# Altium PCB 11BRANMB10H_20170919.pcbdoc (part 2 of 7)
Units mm, origin at the board's own origin, x right, y up, seen from the top; angles counter-clockwise.
Board outline 91.65 x 48.25 mm, 6 copper layers (TOP, GND1, Singal, POWER, GND2, BOTTOM), stack 0.8 mm thick; 367 components, 288 nets, 1408 pads, 965 vias.
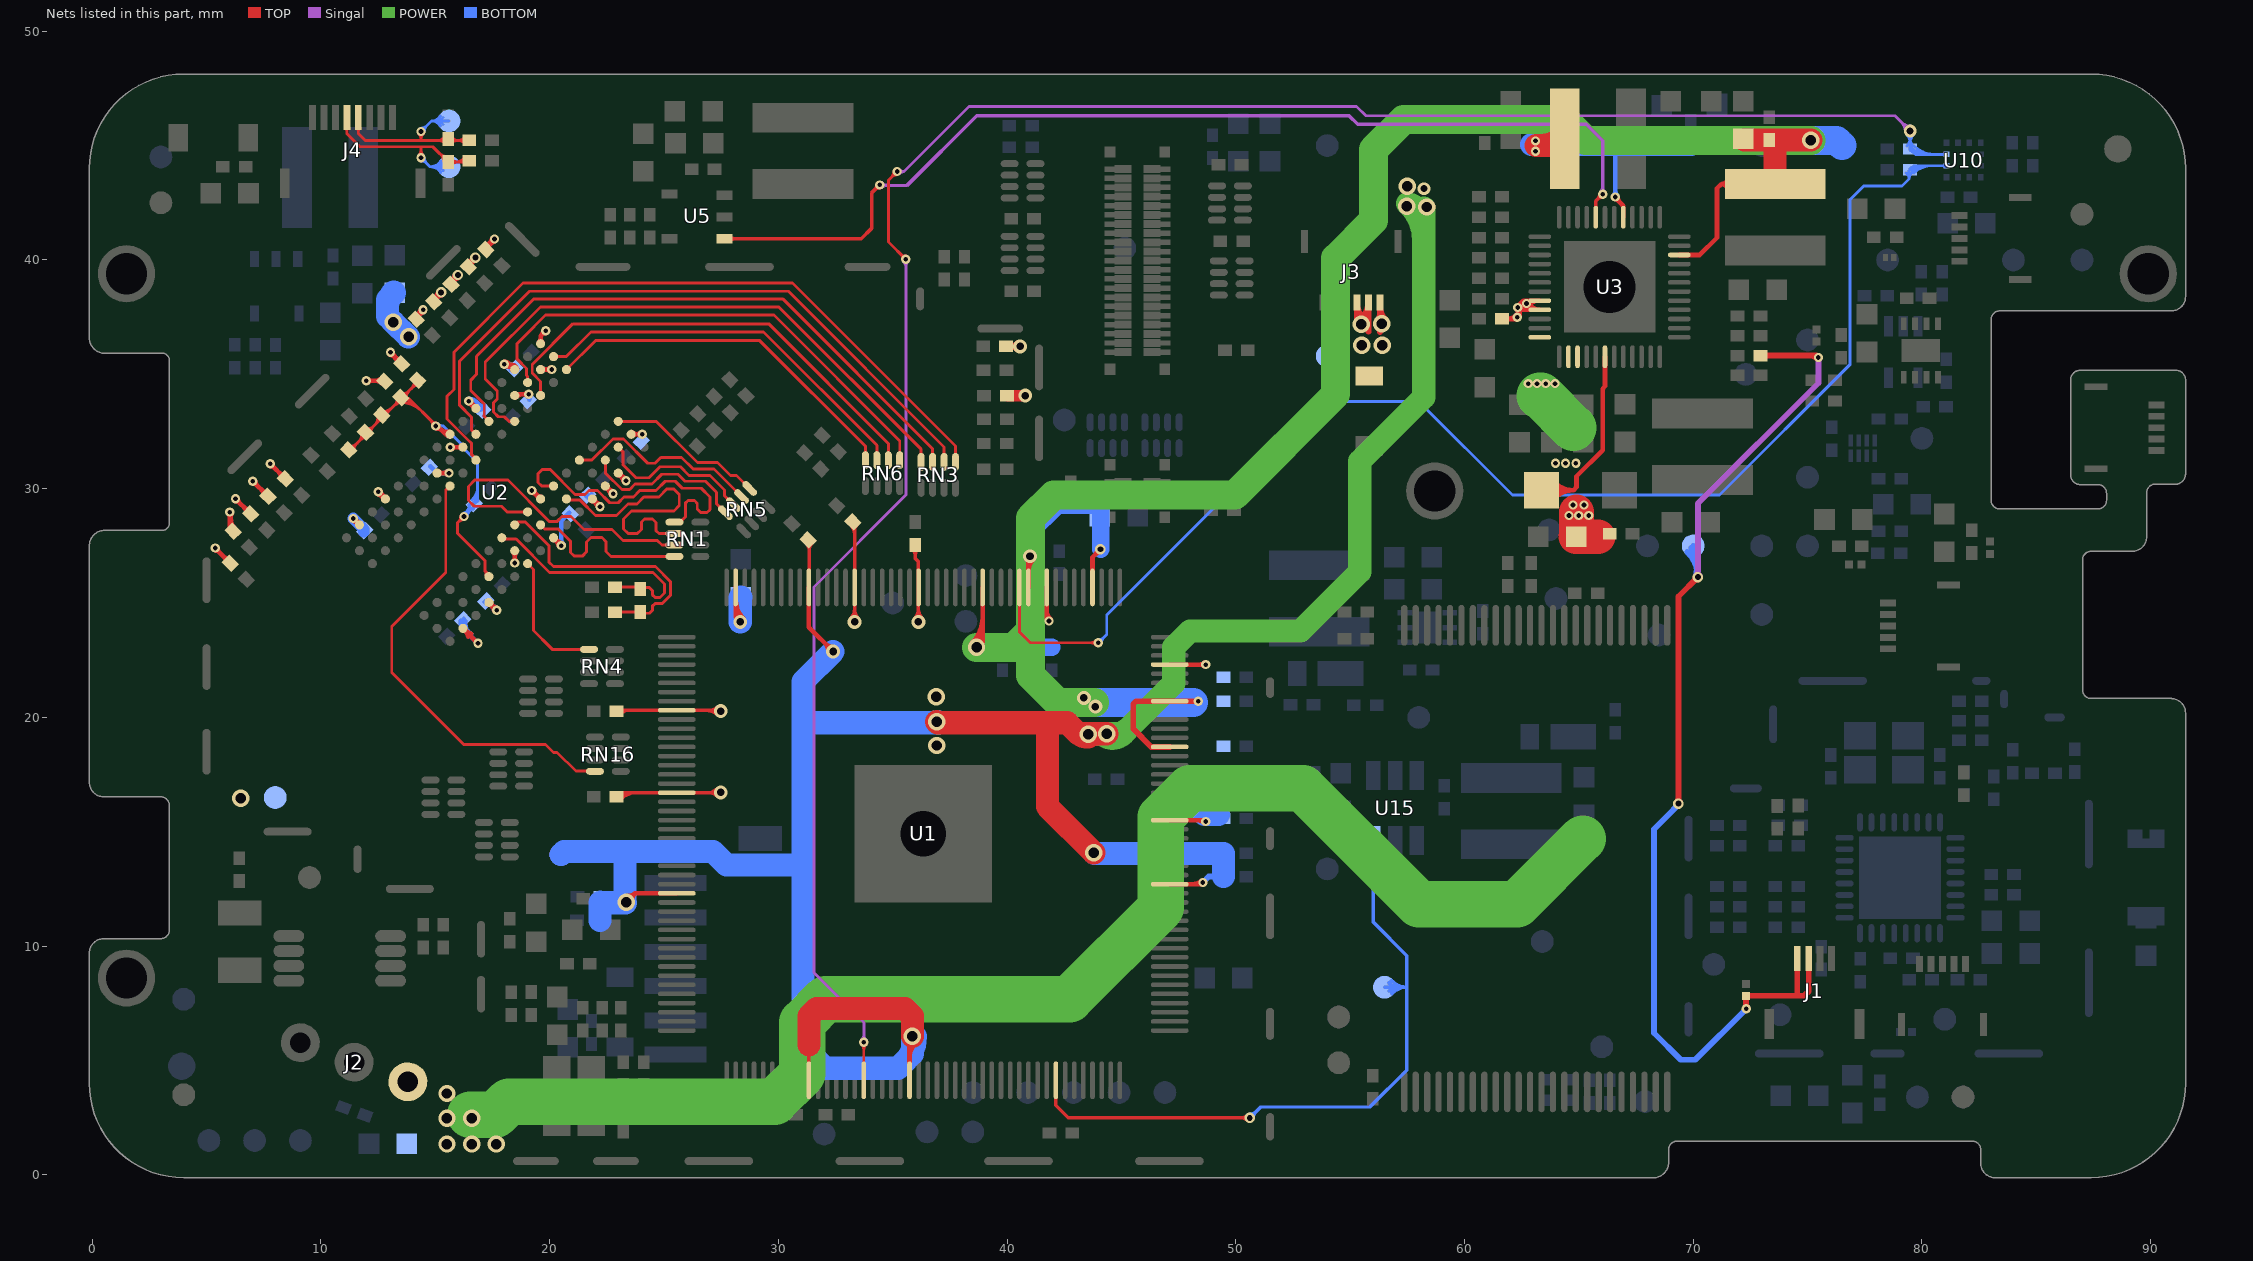
[diagram p6: the nets of this part, all layers, seen from the top]

## Via types
v1: diameter 0.406, hole 0.203, TOP to BOTTOM, tented both sides, 427 vias
v2: diameter 0.457, hole 0.254, TOP to BOTTOM, tented both sides, 256 vias
v3: diameter 0.559, hole 0.305, TOP to BOTTOM, tented both sides, 192 vias
v4: diameter 0.762, hole 0.457, TOP to BOTTOM, tented both sides, 69 vias
v5: diameter 0.61, hole 0.33, TOP to BOTTOM, tented both sides, 11 vias
v6: diameter 0.5, hole 0.2, TOP to BOTTOM, 9 vias
v7: diameter 0.508, hole 0.254, TOP to BOTTOM, tented both sides, 1 vias

## Nets (pads, with @x,y where several pads share a name; then routed paths per layer and width w, separated by ;. In a path a pad name is that pad's centre, name@x,y a point inside that pad or via, vN(x,y) a via of type N, cw(c..) or ccw(c..) an arc to the next point about the centre after c; other vN are vias at no path point) (continued)
BAT: C41.2 C42.2 C45.1 J2.1 R11.1 TP10.1 U3.38 U3.39 U3.42 | length 77.5
  TOP w0.203: R11.1@63.236,29.929 R11.1@63.363,29.929 64.768,29.929 ; R11.1@63.713,29.638 cw(c64.334,29.12) 64.334,29.929 cw(c64.334,30.738) R11.1@63.713,30.22 ; R11.1@63.869,29.508 cw(c64.768,28.759) 64.768,29.929 ; R11.1@63.869,30.35 ccw(c64.768,31.099) 64.768,29.929 ; U3.42@66.143,35.769 66.143,34.478 66.038,34.373 66.038,31.675 64.895,30.532 64.895,30.056 64.768,29.929
  TOP w0.508: R11.1@63.363,29.417 R11.1@63.363,29.929
  TOP w1.524: v1@64.898,28.977 64.898,28.829 64.898,27.913 C45.1@64.882,27.897 64.999,27.897 65.43,27.897 65.835,27.897
  POWER w2.032: v4@16.534,2.624 16.59,2.624 17.626,2.624 18.202,3.2 29.835,3.2 31.051,4.416 31.051,6.665 32.065,7.679 42.735,7.679 46.725,11.668 46.725,15.645 47.978,16.898 52.939,16.898 58.007,11.83 62.299,11.83 65.164,14.694 ; 63.295,34.069 63.346,34.069 63.389,34.026 64.752,32.663
  other v1: 64.567,28.829 64.999,28.829 65.43,28.829 64.745,29.286 65.227,29.286 63.983,31.115 64.414,31.115 64.872,31.115 62.787,34.595 63.168,34.595 63.551,34.595 63.957,34.595
  other v4: 15.51,1.346 16.59,1.346 17.669,1.346 15.51,2.464 16.59,2.464 15.51,3.556
BOOST_EN: R190.1 TP14.1 U1.125 U15.3 | length 35
  TOP w0.127: U1.125@42.135,4.013 U1.125@42.135,4.133
  TOP w0.152: U1.125@42.135,4.013 42.135,3.045 42.684,2.497 50.601,2.497 v2(50.609,2.489) ; 50.222,2.497 cw(c50.222,2.102) v2@50.501,2.381 ; 50.26,2.497 ccw(c50.26,2.838) v2@50.501,2.597
  BOTTOM w0.152: v2(50.609,2.489) 51.085,2.965 55.865,2.965 57.478,4.579 57.478,8.204 ; v2@50.609,2.642 ccw(c50.609,3.01) 50.869,2.749 ccw(c51.129,2.489) v2@50.761,2.489 ; U15.3@55.85,14.119 cw(c55.438,13.708) 56.02,13.708 cw(c56.603,13.708) U15.3@56.191,14.119 ; R190.1@55.88,13.106 cw(c55.541,12.767) 56.02,12.767 ; R190.1@55.88,13.352 ccw(c55.541,13.691) 56.02,13.691 ; 56.02,12.852 cw(c56.381,12.852) R190.1@56.126,13.106 ; 56.02,13.606 ccw(c56.381,13.606) R190.1@56.126,13.352 ; U15.3@56.02,14.608 56.02,13.229 56.02,11.036 57.478,9.578 57.478,8.204 ; TP14.1@56.504,8.204 57.478,8.204 ; TP14.1@56.697,8.387 ccw(c57.123,8.793) 57.123,8.204 ; TP14.1@56.699,8.016 cw(c57.13,7.618) 57.13,8.204 ; TP14.1@56.807,8.492 ccw(c57.478,9.131) 57.478,8.204 ; TP14.1@56.811,7.912 cw(c57.478,7.296) 57.478,8.204
BUTTON: D2.1 J1.1 J1.2 R22.2 TP31.1 | length 53.6
  TOP w0.254: v2@69.282,16.302 ccw(c69.109,16.476) 69.354,16.476 ccw(c69.599,16.476) v2@69.426,16.302 ; v2(69.354,16.231) 69.354,25.283 v2(70.204,26.132) ; v2@70.102,26.132 cw(c69.857,26.132) 70.03,25.959 cw(c70.204,25.786) v2@70.204,26.031 ; 72.312,7.481 ccw(c72.543,7.481) v1@72.38,7.318 ; D2.1@72.312,7.812 72.312,7.278 v1(72.326,7.264) ; D2.1@72.312,7.831 74.852,7.831 75.05,8.029 J1.2@75.05,9.35 ; D2.1@72.326,7.736 72.326,7.812 D2.1@72.326,7.824 ; R22.2@73.036,35.72 R22.2@72.939,35.817 75.397,35.817 v1(75.476,35.738) ; R22.2@73.076,35.73 cw(c73.286,35.52) 73.286,35.817 cw(c73.286,36.114) R22.2@73.076,35.904 ; 74.55,7.879 J1.1@74.55,9.35 ; 75.101,35.817 cw(c75.101,35.363) v1@75.422,35.684
  Singal w0.254: v2@70.132,26.204 ccw(c69.959,26.378) 70.204,26.378 ccw(c70.449,26.378) v2@70.276,26.204 ; v2(70.204,26.132) 70.204,29.348 75.476,34.62 v1(75.476,35.738)
  BOTTOM w0.254: 69.145,15.97 ccw(c68.885,16.231) v2@69.253,16.231 ; v2@69.38,16.205 68.287,15.113 68.287,6.198 69.456,5.029 70.091,5.029 v1(72.326,7.264) ; TP31.1@69.738,27.235 cw(c68.631,26.117) v2@70.204,26.117 ; TP31.1@69.916,27.415 cw(c69.234,26.726) 70.204,26.726 ; TP31.1@70,27.5 70.204,27.296 v2(70.204,26.132) ; v2@70.116,26.183 ccw(c69.915,26.299) 70.139,26.359 ; v2@70.132,26.204 ccw(c69.959,26.378) 70.204,26.378 ccw(c70.449,26.378) v2@70.276,26.204 ; 70.134,26.377 ccw(c70.384,26.444) v2@70.255,26.22
CAS: RN16.4 U2.K3 | length 19.9
  TOP w0.127: U2.K3@15.645,30.117 15.456,29.928 15.456,26.338 13.094,23.976 13.094,21.969 16.244,18.819 19.824,18.819 20.173,18.47 20.327,18.47 21.146,17.651 21.97,17.651 RN16.4@21.981,17.641
CHGLED: U3.36
CKE: RN4.1 U2.K9 | length 5.8
  TOP w0.127: U2.K9@19.039,26.722 19.292,26.47 19.292,23.801 19.597,23.496 19.741,23.353 20.133,22.96 21.301,22.96 21.315,22.973 RN4.1@21.724,22.973
CORE-VDD: C28.2 C29.2 C30.2 C49.1 C55.1 C56.1 C117.1 L4.2 TP9.1 U1.35 U1.73 U1.98 U1.109 U1.149 U3.17 | length 148
  TOP w0.152: C49.1@31.217,27.603 cw(c30.903,27.289) 31.347,27.289 ; U1.98@31.335,4.133 31.335,5.672 ; U1.35@31.335,25.683 31.347,25.694 C49.1@31.347,27.719 ; 31.347,27.324 cw(c31.742,27.324) C49.1@31.463,27.603
  TOP w0.203: v4(23.343,11.919) 23.732,12.308 ; v4@23.385,12.195 ccw(c23.447,12.593) 23.732,12.308 ; v4@23.619,11.961 cw(c24.017,12.023) 23.732,12.308 ; U1.73@25.56,12.308 23.732,12.308 ; U1.35@31.335,25.683 31.335,23.938 v5(32.393,22.881) ; v5@32.189,22.881 ccw(c31.699,22.881) 32.046,23.228 ccw(c32.393,23.575) v5@32.393,23.084 ; v4@35.665,5.855 cw(c35.497,5.687) 35.735,5.687 ; U1.109@35.735,4.133 35.735,5.925 v4(35.863,6.053) ; 35.735,5.07 cw(c36.846,5.07) v4@36.061,5.855 ; 35.735,5.56 cw(c36.356,5.56) v4@35.917,5.999 ; U1.149@47.11,12.708 v1@48.487,12.708 ; 48.134,12.708 ccw(c48.134,13.213) v1@48.491,12.856 ; v1(66.597,42.756) 66.597,42.715 66.943,42.369 U3.17@66.943,41.869 ; v1@66.699,42.756 ccw(c67.042,42.756) 66.799,42.513 ; 66.875,42.437 cw(c66.707,42.269) U3.17@66.945,42.269
  TOP w1.016: 31.335,5.672 31.335,6.935 31.672,7.272 35.533,7.272 35.863,6.942 v4(35.863,6.053) ; v4(36.923,19.812) 36.965,19.769 42.634,19.769 43.118,19.285 43.548,19.285 v4(44.361,19.285) ; 41.768,19.706 41.768,16.099 v4(43.79,14.078) ; 43.052,19.35 ccw(c43.548,19.846) v4@43.548,19.145 ; 63.143,45.002 64.091,45.002 L4.2@64.385,45.296 ; 63.333,45.002 ccw(c63.333,46.348) L4.2@64.285,45.396
  POWER w1.016: v4(43.548,19.272) 43.561,19.285 v4(44.361,19.285) 45.082,19.285 ; v4@44.3,19.173 ccw(c44.617,19.75) 45.082,19.284 ; v4@44.361,19.158 ccw(c44.361,20.592) 45.375,19.578 ; v4@57.505,42.466 cw(c57.336,41.603) 58.215,41.603 ; v4@57.57,42.431 cw(c56.013,40.874) 58.215,40.874 ; v4@58.215,42.27 58.215,33.993 55.421,31.199 55.421,26.373 52.822,23.774 47.996,23.774 47.293,23.071 47.293,21.495 45.082,19.285
  BOTTOM w0.203: v1@66.525,42.828 ccw(c66.352,43.001) 66.597,43.001 ccw(c66.842,43.001) v1@66.669,42.828 ; v1(66.597,42.756) 66.597,44.912
  BOTTOM w0.254: v1(48.563,12.784) 48.817,13.038 C28.2@49.46,13.038 ; C28.2@49.323,12.951 ccw(c49.113,12.741) 49.113,13.038 ccw(c49.113,13.335) C28.2@49.323,13.125
  BOTTOM w0.508: C29.2@22.217,12.166 22.465,11.919 23.292,11.919 v4(23.343,11.919) ; C29.2@22.264,12.164 ccw(c22.856,12.755) 22.856,11.919 ; 31.326,5.672 31.326,8.047
  BOTTOM w1.016: TP9.1@20.5,14 20.631,14.131 27.148,14.131 27.738,13.54 30.403,13.54 30.408,13.546 31.072,13.546 ; C117.1@22.199,11.121 22.199,11.895 22.217,11.895 v4@23.319,11.895 ; v4@23.292,11.919 23.292,14.097 ; v5@32.39,22.876 31.072,21.558 31.072,19.769 ; 35.541,4.969 ccw(c34.457,6.053) v4@35.99,6.053 ; v4(35.863,6.053) 35.863,5.291 35.228,4.656 32.053,4.656 31.072,5.637 31.072,13.546 ; v4(36.923,19.812) 36.963,19.812 37.006,19.769 36.923,19.769 31.072,19.769 ; v4@43.823,14.054 C30.2@49.46,14.054 C28.2@49.46,13.038 ; 62.928,45.05 63.106,45.05 68.629,45.05 C56.1@69.899,45.05 ; 31.072,13.546 31.072,19.769
  other v1: 63.106,44.748 63.106,45.205
  other v3: 58.231,43.117
  other v4: 36.923,18.77 36.897,20.904 58.344,42.316 57.48,42.342 57.506,43.231
CPU-VDD: C20.2 C21.2 C22.2 C23.2 C24.2 C25.2 C26.2 C27.2 C46.1 C48.1 L2.2 TP8.1 U1.4 U1.9 U1.11 U1.16 U1.156 U1.164 U1.169 U1.173 U3.10 | length 113.3
  TOP w0.203: v4@38.467,23.261 ccw(c37.338,24.39) 38.935,24.39 ; v4@38.611,23.117 ccw(c37.829,23.899) 38.935,23.899 ; v4@38.755,22.973 ccw(c38.32,23.408) 38.935,23.408 ; 38.935,23.333 U1.16@38.935,25.683 ; v5@40.86,26.903 cw(c40.677,26.721) 40.935,26.721 ; U1.11@40.935,25.683 40.935,27.047 v5(41.003,27.047) ; U1.11@40.935,26.392 cw(c41.658,26.392) v5@41.147,26.903 ; 41.735,24.693 ccw(c42.311,24.693) v1@41.904,24.286 ; U1.9@41.735,25.683 41.735,24.311 v1(41.832,24.214) ; U1.4@43.735,25.683 43.735,27.003 v2(44.082,27.349) ; v2@43.955,27.349 cw(c43.648,27.349) 43.865,27.132 cw(c44.082,26.916) v2@44.082,27.222 ; U1.156@47.11,15.508 v1@48.633,15.508 ; U1.173@47.11,22.308 v1@48.689,22.308 ; 48.308,15.508 cw(c48.308,15.069) v1@48.618,15.379 ; 48.442,22.308 ccw(c48.442,22.557) v1@48.618,22.381 ; 48.448,22.308 cw(c48.448,22.067) v1@48.618,22.237 ; U3.10@69.393,40.219 70.283,40.219 71.042,40.978 71.042,43.137 71.222,43.317 ; L2.2@71.523,43.113 ccw(c71.222,42.993) 71.222,43.317 ; L2.2@71.523,43.521 cw(c71.222,43.641) 71.222,43.317 ; L2.2@73.582,43.317 71.222,43.317
  TOP w0.254: U1.164@47.11,18.708 46.305,18.708 45.515,19.498 45.515,20.581 45.642,20.708 U1.169@47.11,20.708 v1(48.359,20.708)
  TOP w1.016: C46.1@72.24,45.241 C48.1@73.328,45.241 73.582,45.241 ; L2.2@73.582,43.317 73.582,45.241 ; v4@75.138,45.241 73.582,45.241
  POWER w1.27: v4(38.665,23.063) 40.3,23.063 41.029,23.792 ; v5@43.823,20.646 43.356,20.646 42.225,20.646 41.029,21.842 41.029,23.792 ; v4(75.146,45.233) 65.295,45.233 64.382,46.145 57.338,46.145 56.02,44.827 56.02,41.733 54.368,40.081 54.368,34.131 49.963,29.726 42.038,29.726 41.029,28.716 41.029,27.047 41.029,24.214 41.029,23.792
  BOTTOM w0.762: C23.2@39.8,23.063 C21.2@40.943,23.063 ; C22.2@41.959,23.063 C21.2@40.943,23.063 ; v2@44.093,27.349 44.093,28.786 44.093,29.282 44.054,29.282 42.222,29.282 41.003,28.063 v5(41.003,27.047) 41.003,23.123 C21.2@40.943,23.063
  BOTTOM w1.016: 48.144,16.251 48.639,15.756 48.69,15.756 C24.2@49.249,15.756
  BOTTOM w1.27: v5@43.671,20.658 43.864,20.658 48.132,20.658 ; 48.132,20.646 48.132,20.658 ; 48.144,20.658 48.132,20.658 ; v4(75.146,45.233) 76.267,45.233 TP8.1@76.5,45
  other v1: 48.69,15.451 48.69,22.309
  other v5: 43.864,20.468 43.356,20.849
D+: D7.1 J4.5 R158.1 TP53.1 | length 12.6
  TOP w0.127: J4.5@11.571,45.769 cw(c11.423,45.621) 11.632,45.621 cw(c11.841,45.621) J4.5@11.693,45.769 ; J4.5@11.632,46.23 11.632,45.528 11.929,45.231 14.376,45.231 ; v1@14.278,45.519 cw(c14.039,45.281) 14.376,45.281 cw(c14.714,45.281) v1@14.475,45.519 ; v1(14.376,45.618) 14.376,45.231 ; 15.086,45.231 ccw(c15.086,45.711) D7.1@15.426,45.371 ; 15.128,45.231 cw(c15.128,44.811) D7.1@15.426,45.108 ; D7.1@15.689,45.108 cw(c15.986,44.811) 15.986,45.231 ; D7.1@15.689,45.371 ccw(c16.029,45.711) 16.029,45.231 ; R158.1@16.298,45.099 ccw(c15.98,44.781) 15.98,45.231 ccw(c15.98,45.681) R158.1@16.298,45.363 ; R158.1@16.48,45.231 15.557,45.231 14.376,45.231
  BOTTOM w0.127: v1(14.376,45.618) 14.835,46.077 TP53.1@15.6,46.077 ; v1@14.376,45.758 ccw(c14.376,46.095) 14.615,45.857 ccw(c14.853,45.618) v1@14.516,45.618 ; TP53.1@15.224,45.855 ccw(c14.835,45.626) 14.835,46.077 ccw(c14.835,46.529) TP53.1@15.224,46.299 ; TP53.1@15.333,45.92 ccw(c15.058,45.757) 15.058,46.077 ccw(c15.058,46.397) TP53.1@15.333,46.235
D-: D8.1 J4.4 R157.1 TP52.1 | length 14.1
  TOP w0.127: J4.4@11.071,45.769 cw(c10.923,45.621) 11.132,45.621 cw(c11.341,45.621) J4.4@11.193,45.769 ; J4.4@11.132,46.23 11.132,45.528 11.708,44.951 14.376,44.951 ; v1@14.278,44.574 ccw(c14.039,44.812) 14.376,44.812 ccw(c14.714,44.812) v1@14.475,44.574 ; v1(14.376,44.475) 14.376,44.951 ; 15.154,44.687 ccw(c15.557,45.09) D8.1@15.557,44.519 ; 15.274,44.566 cw(c15.041,44.333) D8.1@15.371,44.333 ; D8.1@15.689,44.151 cw(c16.008,43.833) 16.008,44.283 cw(c16.008,44.733) D8.1@15.689,44.415 ; 15.838,44.283 ccw(c15.838,44.934) R157.1@16.298,44.474 ; 16.122,44.283 cw(c16.122,44.034) R157.1@16.298,44.21 ; 16.144,44.283 ccw(c16.144,44.627) R157.1@16.388,44.384 ; R157.1@16.48,44.342 16.421,44.283 D8.1@15.557,44.283 14.889,44.951 14.376,44.951
  BOTTOM w0.127: v1@14.376,44.335 cw(c14.376,43.998) 14.615,44.237 cw(c14.853,44.475) v1@14.516,44.475 ; v1(14.376,44.475) 14.774,44.077 ; TP52.1@15.239,43.831 ccw(c14.774,43.515) 14.774,44.077 ; TP52.1@15.239,44.323 cw(c14.774,44.64) 14.774,44.077 ; TP52.1@15.344,43.903 ccw(c15.015,43.678) 15.015,44.077 ccw(c15.015,44.476) TP52.1@15.344,44.251 ; TP52.1@15.6,44.077 14.774,44.077
DCIN-5V: D5.1 J3.1 J3.2 J3.3 R14.2 TP32.1 U3.32 U3.33 | length 15.6
  TOP w0.203: R14.2@61.636,37.422 62.235,37.422 v1(62.304,37.49) 62.406,37.593 v1@62.406,37.922 ; R14.2@61.791,37.317 cw(c62.044,37.064) 62.044,37.422 cw(c62.044,37.78) R14.2@61.791,37.527 ; R14.2@61.894,37.422 ccw(c61.894,37.9) v1@62.232,37.562 ; v1@62.239,37.569 ccw(c61.949,37.922) v1@62.406,37.922 ; v1@62.273,37.839 cw(c62.096,37.584) v1@62.406,37.584 ; v1@62.412,37.819 62.713,37.819 ; v1@62.416,37.978 ccw(c62.713,38.174) 62.713,37.819 ; v1@62.433,37.922 cw(c62.825,37.922) v1@62.548,38.199 ; 62.498,38.113 cw(c62.669,38.014) v1@62.759,38.19 ; v1@62.619,38.06 ccw(c62.985,38.217) U3.33@62.985,37.819 ; v1@62.806,38.14 ccw(c63.293,38.349) U3.33@63.293,37.819 62.713,37.819 ; U3.32@63.246,38.219 ccw(c63.246,37.567) v1@62.784,38.028 ; U3.32@63.293,38.219 62.713,38.219 62.568,38.219 62.406,38.057 v1@62.406,37.922 ; 62.713,37.855 ccw(c62.467,37.855) 62.641,38.028 cw(c62.467,37.855) 62.713,37.855 ; 62.713,37.855 cw(c62.958,37.855) v1@62.784,38.028 ; 62.713,37.855 cw(c62.958,37.855) v1@62.784,38.028
  TOP w0.254: v4@55.3,37.083 55.3,37.185 J3.3@55.3,38.15 ccw(c56.316,38.15) v4@55.655,37.378 ; 55.3,37.598 ccw(c55.843,37.598) v4(55.49,37.185) ccw(c55.192,37.716) 55.8,37.716 ; v4@55.365,37.407 ccw(c54.947,38.15) J3.2@55.8,38.15 55.8,37.185 55.8,36.865 ; v4@56.199,37.39 ccw(c55.957,37.633) 56.3,37.633 ; v4@56.3,36.857 56.3,37.211 J3.1@56.3,38.15 ; J3.1@56.3,38.015 ccw(c57.183,38.015) v4@56.559,37.39
  other v1: 62.332,37.922 62.713,38.1
  other v4: 55.515,36.271 56.404,36.271 56.379,37.211
DQ0: RN3.4 U2.E3 | length 26.8
  TOP w0.127: U2.E3@18.473,32.945 18.218,32.945 18.017,33.146 17.756,33.146 17.542,33.359 17.542,33.76 17.707,33.925 17.707,34.268 17.184,34.792 17.184,35.533 19.597,37.946 30.02,37.946 36.245,31.72 RN3.4@36.245,31.169
DQ1: RN1.1 U2.F7 | length 13.4
  TOP w0.127: U2.F7@20.17,30.117 19.653,30.117 19.495,30.275 19.495,30.656 19.673,30.834 20.029,30.834 21.111,29.751 21.551,29.751 21.716,29.916 22.094,29.916 22.624,29.386 23,29.386 23.254,29.64 23.661,29.64 23.94,29.919 24.651,29.919 25.058,30.326 25.489,30.326 25.794,30.021 26.632,30.021 27.013,29.64 27.013,29.081 26.886,28.954 26.607,28.954 26.455,29.106 26.455,29.358 26.328,29.485 26.046,29.485 25.947,29.386 25.947,28.789 25.693,28.536 RN1.1@25.458,28.536
DQ2: RN3.3 U2.F2 | length 27.6
  TOP w0.127: U2.F2@17.342,32.945 17.137,33.15 17.142,33.359 17.142,33.702 16.549,34.295 16.549,34.745 16.803,34.999 16.803,35.786 19.317,38.301 30.188,38.301 36.746,31.744 RN3.3@36.746,31.169
DQ3: RN1.2 U2.F8 | length 12.7
  TOP w0.127: U2.F8@20.736,29.551 20.789,29.497 21.339,29.497 22.01,28.827 22.924,28.827 23.432,29.335 23.813,29.335 24.118,29.64 24.778,29.64 25.12,29.982 25.427,29.982 25.667,29.741 25.667,29.259 25.439,29.03 23.584,29.03 23.229,28.675 23.229,28.243 23.436,28.036 23.834,28.036 24.016,28.217 24.016,28.548 24.143,28.675 24.498,28.675 24.651,28.522 24.651,28.163 24.778,28.036 RN1.2@25.458,28.036
DQ4: RN3.1 U2.H3 | length 32.2
  TOP w0.127: U2.H3@16.776,31.248 16.776,31.301 16.592,31.485 16.592,31.971 16.368,32.195 15.515,33.048 15.515,34.042 15.812,34.339 15.812,35.964 18.835,38.987 30.62,38.987 37.746,31.862 RN3.1@37.746,31.169
DQ5: RN1.4 U2.H8 | length 7.9
  TOP w0.127: U2.H8@19.605,28.419 19.781,28.243 20.378,28.243 20.917,27.704 20.917,27.213 21.082,27.049 21.425,27.049 21.615,27.239 21.615,27.67 21.806,27.862 22.289,27.862 22.467,27.684 22.467,27.252 22.683,27.036 RN1.4@25.458,27.036
DQ6: RN3.2 U2.G2 | length 29.4
  TOP w0.127: U2.G2@16.776,32.379 16.576,32.58 16.576,33.136 16.066,33.646 16.066,35.583 19.114,38.631 30.442,38.631 37.245,31.828 RN3.2@37.245,31.169
DQ7: RN1.3 U2.H7 | length 13.9
  TOP w0.127: U2.H7@19.039,28.985 18.143,28.985 17.895,29.233 16.701,29.233 16.447,29.487 16.447,30.097 16.726,30.376 18.174,30.376 19.978,28.573 20.333,28.573 20.545,28.785 20.935,28.785 21.502,28.217 22.721,28.217 23.203,27.735 24.709,27.735 24.908,27.536 RN1.3@25.458,27.536
DQ8: RN5.2 U2.D7 | length 8.7
  TOP w0.127: U2.D7@21.302,31.248 21.843,31.248 22.774,32.179 23.15,32.179 23.23,32.174 24.292,31.113 24.608,31.113 24.862,31.367 25.769,31.367 26.277,30.859 27.189,30.859 RN5.2@28.391,29.657
DQ9: RN6.2 U2.C3 | length 20.7
  TOP w0.127: U2.C3@19.605,34.076 19.605,34.691 19.239,35.056 19.239,35.434 21.014,37.209 29.579,37.209 34.807,31.981 RN6.2@34.807,31.246
DQ10: RN5.4 U2.C8 | length 7.4
  TOP w0.127: U2.C8@22.433,31.248 22.433,30.691 23.164,29.96 23.498,29.96 23.737,30.199 24.47,30.199 24.901,30.63 25.616,30.63 25.921,30.326 26.81,30.326 27.294,29.841 27.294,29.339 RN5.4@27.684,28.95
DQ11: RN6.1 U2.C2 | length 22.3
  TOP w0.127: U2.C2@19.039,34.642 19.039,34.897 18.985,34.951 18.985,35.253 18.581,35.658 18.581,36.349 18.877,36.642 19.825,37.59 29.807,37.59 35.307,32.09 RN6.1@35.307,31.246
DQ12: RN5.1 U2.A7 | length 7
  TOP w0.127: U2.A7@22.999,32.945 24.652,32.945 26.458,31.138 27.344,31.138 27.902,30.58 28.176,30.58 RN5.1@28.745,30.011
DQ13: RN6.3 U2.A2 | length 17.3
  TOP w0.127: U2.A2@20.17,35.773 20.726,35.773 21.806,36.853 29.35,36.853 34.307,31.896 RN6.3@34.307,31.246
DQ14: RN5.3 U2.B8 | length 7
  TOP w0.127: U2.B8@22.999,31.813 23.199,31.613 23.199,31.097 ; RN5.3@28.038,29.304 27.648,29.693 27.648,29.945 27.013,30.58 26.099,30.58 25.718,30.961 24.829,30.961 24.346,30.478 23.777,30.478 23.211,31.044 ; 23.199,31.097 23.211,31.085 23.211,31.044 ; 23.199,31.097 23.211,31.044
DQ15: RN6.4 U2.A3 | length 16.1
  TOP w0.127: U2.A3@20.736,35.207 22.001,36.472 29.19,36.472 33.807,31.856 RN6.4@33.807,31.246
DRAM-REF: C81.1 C83.2 C95.1 C96.1 R86.1 R90.2 U2.H1 U2.M8 | length 31.4
  TOP w0.127: C95.1@11.248,31.85 ccw(c11.248,32.335) 11.59,31.992 ; C95.1@11.255,31.657 11.992,32.393 11.992,32.419 C83.2@12.703,33.13 ; C95.1@11.434,31.664 cw(c11.85,31.664) 11.556,31.958 ; 11.638,32.04 ccw(c11.252,32.426) R90.2@11.798,32.426 ; 11.734,32.135 cw(c11.984,31.885) R90.2@11.984,32.239 ; R90.2@11.984,32.612 ccw(c11.984,33.097) 12.327,32.754 ; R90.2@12.171,32.426 cw(c12.587,32.426) 12.293,32.72 ; 12.331,32.759 ccw(c11.902,33.188) C83.2@12.509,33.188 ; 12.488,32.915 cw(c12.696,32.708) C83.2@12.696,33.001 ; 12.548,32.975 ccw(c12.336,33.188) C83.2@12.636,33.188 ; C83.2@12.696,33.247 ccw(c12.696,33.548) 12.908,33.335 ; C83.2@12.696,33.374 ccw(c12.696,33.981) 13.125,33.552 ; C83.2@12.703,33.181 C83.2@12.703,33.13 ; C83.2@12.882,33.188 cw(c13.176,33.188) 12.968,33.395 ; 13.196,33.624 cw(c13.534,33.286) 13.534,33.763 cw(c13.534,32.577) 14.373,33.416 ; 13.223,33.651 ccw(c12.924,33.95) C81.1@13.347,33.95 ; C81.1@13.534,33.89 cw(c13.534,33.011) 14.156,33.633 ; C81.1@13.534,34.017 cw(c13.534,33.444) 13.939,33.85 ; C81.1@13.534,34.136 ccw(c13.534,34.56) 13.833,34.26 ; C81.1@13.72,33.95 cw(c14.198,33.95) 13.86,34.287 ; 13.942,34.369 ccw(c13.599,34.712) R86.1@14.084,34.712 ; 13.976,34.404 cw(c14.27,34.109) R86.1@14.27,34.525 ; R86.1@14.278,34.705 13.528,33.956 C81.1@13.516,33.943 ; 14.768,33.02 cw(c14.486,32.739) v1@14.885,32.739 ; 14.829,32.959 ccw(c15.025,33.154) v1@15.025,32.878 ; v1@15.025,32.599 cw(c15.025,32.2) 15.306,32.482 ; v1@15.061,32.604 cw(c15.163,32.221) 15.362,32.564 ; v1@15.159,32.775 ccw(c15.428,32.847) 15.289,32.606 ; v1@15.164,32.739 ccw(c15.44,32.739) 15.245,32.543 ; 15.242,32.546 ccw(c15.623,32.927) U2.H1@15.645,32.389 ; 15.448,32.341 ccw(c15.639,32.532) U2.H1@15.65,32.262 ; U2.H1@15.527,32.311 ccw(c15.409,32.244) 15.409,32.379 ; U2.H1@15.527,32.447 cw(c15.409,32.514) 15.409,32.379 ; U2.H1@15.64,32.516 cw(c15.608,33.322) v1@15.037,32.751 ; U2.H1@15.645,32.379 15.409,32.379 ; v1@16.114,28.786 cw(c15.776,28.786) 16.015,28.547 cw(c16.253,28.309) v1@16.253,28.646 ; v1(16.253,28.786) 15.964,28.497 15.964,28.065 17.166,26.863 17.166,26.415 ; U2.M8@17.213,26.203 ccw(c17.023,26.271) 17.166,26.415 ; U2.M8@17.342,26.156 17.342,26.239 17.166,26.415 ; C83.2@12.703,33.13 12.728,33.155 C81.1@13.516,33.943 ; C81.1@13.516,33.943 13.846,33.943 v1@14.974,32.815 ; v1@14.974,32.815 v1@15.037,32.751 ; v1@14.974,32.815 v1(15.025,32.739) ; v1@14.974,32.815 14.974,32.789 v1(15.025,32.739) ; v1(15.025,32.739) v1@15.037,32.751 ; v1@15.037,32.751 15.409,32.379
  BOTTOM w0.127: v1(15.025,32.739) 15.348,32.739 ; v1@15.126,32.643 cw(c15.348,32.433) 15.348,32.739 ; v1@15.126,32.834 ccw(c15.348,33.044) 15.348,32.739 ; C96.1@16.607,29.504 ccw(c16.011,30.1) 16.853,30.1 ; C96.1@16.661,29.193 16.661,29.295 C96.1@16.703,29.337 C96.1@16.853,29.487 ; C96.1@16.696,29.414 ccw(c16.317,29.793) 16.853,29.793 ; C96.1@16.848,29.482 C96.1@16.853,29.487 ; 15.348,32.739 16.093,31.994 16.093,31.904 16.853,31.144 C96.1@16.853,29.487
  BOTTOM w0.152: v1@16.221,28.909 ccw(c16.126,29.26) 16.442,29.078 ; v1(16.253,28.786) C96.1@16.661,29.193 ; v1@16.253,28.913 ccw(c16.253,29.219) 16.47,29.003 ccw(c16.687,28.786) v1@16.38,28.786 ; v1@16.299,28.832 ccw(c15.829,29.302) C96.1@16.494,29.302 ; v1@16.376,28.819 cw(c16.617,28.883) 16.401,29.008 ; C96.1@16.544,29.077 cw(c16.668,28.953) C96.1@16.668,29.128 ; C96.1@16.703,29.337 C96.1@16.848,29.482
DRAM-VCC: C33.2 C34.2 C35.2 C36.2 C81.2 C82.1 C85.1 C86.1 C87.1 C88.1 C89.1 C90.1 C91.1 C92.1 C93.1 C94.1 C97.1 C98.1 C99.1 C100.1 C101.1 C102.1 C103.1 C104.1 C105.1 C106.1 C142.2 L13.1 R86.2 R89.2 TP49.1 U1.23 U1.30 U1.43 U1.53 U1.62 U2.A1 U2.A8 U2.B2 U2.C1 U2.C9 U2.D2 U2.D9 U2.E9 U2.F1 U2.G7 U2.H2 U2.H9 U2.K2 U2.K8 U2.N1 U2.N9 U2.R1 U2.R9 | length 110
  TOP w0.152: v2@15.974,39.327 v2(15.99,39.343) ; C36.2@22.983,16.535 22.983,16.569 23.122,16.708 U1.62@25.56,16.708 v5@27.468,16.708 ; C33.2@22.983,20.274 23.017,20.308 U1.53@25.56,20.308 27.45,20.308 v5(27.481,20.277) ; C36.2@22.988,16.52 cw(c23.441,16.067) 23.441,16.708 ; C36.2@23.095,16.413 cw(c23.808,15.699) 23.808,16.708 ; C33.2@23.096,20.151 cw(c23.475,19.771) 23.475,20.308 ; C33.2@23.096,20.396 ccw(c23.31,20.61) 23.31,20.308 ; 26.855,20.308 cw(c26.855,19.651) v5@27.319,20.115 ; 26.898,16.708 ccw(c26.898,17.304) v5@27.319,16.883 ; 26.961,16.708 cw(c26.961,16.201) v5@27.319,16.559 ; 27.004,20.308 ccw(c27.004,20.754) v5@27.319,20.439 ; v5@33.171,24.338 ccw(c32.774,24.735) 33.335,24.735 ; C34.2@33.172,28.391 cw(c32.785,28.005) 33.332,28.005 ; C34.2@33.302,28.507 33.332,28.477 33.332,25.683 33.332,25.68 U1.30@33.335,25.683 v5@33.335,24.179 ; v5(33.332,24.176) v5@33.332,24.179 ; 33.332,28.185 cw(c33.624,28.185) C34.2@33.418,28.391 ; 33.335,24.722 ccw(c33.878,24.722) v5@33.494,24.338 ; C35.2@35.857,27.367 cw(c35.56,27.07) 35.98,27.07 cw(c36.399,27.07) C35.2@36.102,27.367 ; v5@35.965,24.338 ccw(c35.575,24.728) 36.126,24.728 ccw(c36.678,24.728) v5@36.288,24.338 ; C35.2@35.98,27.48 35.98,26.945 36.126,26.798 36.126,25.683 v5@36.126,24.303
  TOP w0.203: v1@5.373,27.303 cw(c5.373,27.058) 5.546,27.231 cw(c5.719,27.405) v1@5.474,27.405 ; v1(5.373,27.405) C90.1@5.993,26.785 ; C90.1@5.851,26.778 ccw(c5.493,26.778) 5.746,27.031 ccw(c6,27.284) C90.1@6,26.926 ; v1@5.946,28.905 cw(c5.773,28.732) 6.018,28.732 cw(c6.263,28.732) v1@6.09,28.905 ; v1@6.018,28.795 ccw(c6.747,28.795) C91.1@6.232,28.279 ; C91.1@6.058,28.243 C91.1@6.12,28.182 ; v1@6.058,28.937 v1(6.018,28.977) 6.018,28.283 C91.1@6.162,28.139 ; 6.065,28.618 cw(c6.458,28.723) v1@6.106,28.926 ; v1@6.262,29.462 cw(c6.262,29.217) 6.435,29.39 cw(c6.608,29.564) v1@6.363,29.564 ; v1(6.262,29.564) C92.1@6.882,28.944 ; C92.1@6.74,28.937 ccw(c6.382,28.937) 6.635,29.19 ccw(c6.889,29.443) C92.1@6.889,29.085 ; v1@7.024,30.224 cw(c7.024,29.979) 7.197,30.152 cw(c7.37,30.326) v1@7.125,30.326 ; v1(7.024,30.326) C93.1@7.644,29.706 ; C93.1@7.502,29.699 ccw(c7.144,29.699) 7.397,29.952 ccw(c7.651,30.205) C93.1@7.651,29.847 ; v1@7.786,30.986 cw(c7.786,30.741) 7.959,30.914 cw(c8.132,31.088) v1@7.887,31.088 ; v1(7.786,31.088) C94.1@8.406,30.468 ; C94.1@8.264,30.461 ccw(c7.906,30.461) 8.159,30.714 ccw(c8.413,30.967) C94.1@8.413,30.609 ; v1@11.397,28.597 cw(c11.356,28.331) U2.R1@11.589,28.466 ; v1@11.412,28.596 cw(c11.412,28.351) 11.586,28.524 cw(c11.759,28.698) v1@11.514,28.698 ; v1(11.412,28.698) 11.685,28.425 U2.R1@11.685,28.419 ; v1@11.513,28.712 ccw(c11.786,28.752) U2.R1@11.648,28.513 ; v1@11.513,28.596 cw(c11.336,28.419) U2.R1@11.587,28.419 ; v1@11.526,28.584 ccw(c11.685,28.743) U2.R1@11.685,28.518 ; v1(11.976,34.715) 12.729,34.715 C81.2@12.749,34.735 ; v1@12.048,34.643 cw(c12.221,34.47) 12.221,34.715 cw(c12.221,34.96) v1@12.048,34.787 ; 12.368,34.715 ccw(c12.368,35.116) C81.2@12.651,34.833 ; C81.2@12.428,34.715 cw(c12.428,34.4) C81.2@12.651,34.623 ; v1@12.484,29.762 cw(c12.406,29.402) U2.N1@12.725,29.586 ; v1@12.506,29.76 cw(c12.506,29.514) 12.679,29.688 cw(c12.853,29.861) v1@12.607,29.861 ; v1(12.506,29.861) U2.N1@12.816,29.551 ; v1@12.605,29.883 ccw(c12.966,29.962) U2.N1@12.781,29.642 ; U2.N1@12.718,29.551 ccw(c12.48,29.551) 12.648,29.719 ccw(c12.816,29.887) U2.N1@12.816,29.649 ; v1@13.014,35.869 cw(c12.892,35.414) R86.2@13.3,35.65 ; v1@13.04,35.866 cw(c13.04,35.621) 13.214,35.794 cw(c13.387,35.967) v1@13.142,35.967 ; v1(13.04,35.967) 13.486,35.522 R86.2@13.486,35.497 ; v1@13.042,35.866 cw(c13.045,35.641) 13.24,35.753 ; 13.221,35.786 cw(c12.925,35.49) R86.2@13.344,35.49 ; 13.283,35.725 ccw(c13.493,35.935) R86.2@13.493,35.638 ; C102.1@14.121,37.473 v1(14.466,37.819) ; C102.1@14.128,37.594 ccw(c14.128,37.868) 14.321,37.674 ; C102.1@14.172,37.588 ccw(c13.963,37.95) v1@14.367,37.844 ; C102.1@14.276,37.446 cw(c14.719,37.446) v1@14.406,37.759 ; 14.295,37.659 ccw(c14.223,37.783) v1@14.365,37.804 ; C102.1@14.298,37.571 cw(c14.575,37.411) v1@14.492,37.72 ; v1@14.364,37.819 cw(c14.119,37.819) 14.292,37.645 cw(c14.466,37.472) v1@14.466,37.717 ; C103.1@14.883,38.215 v2(15.253,38.581) ; C103.1@14.891,38.356 ccw(c14.893,38.68) v2@15.12,38.449 ; C103.1@14.95,38.352 ccw(c14.769,38.67) v2@15.128,38.604 ; C103.1@15.038,38.207 cw(c15.43,38.204) v2@15.155,38.483 ; C103.1@15.042,38.291 cw(c15.34,38.116) v2@15.276,38.456 ; U2.K2@15.079,30.682 v1(15.597,30.682) ; v2@15.126,38.581 cw(c14.82,38.583) 15.035,38.365 cw(c15.25,38.147) v2@15.252,38.454 ; U2.K2@15.149,30.613 cw(c15.317,30.445) 15.317,30.682 cw(c15.317,30.92) U2.K2@15.149,30.752 ; v1@15.525,30.61 ccw(c15.351,30.437) 15.351,30.682 ccw(c15.351,30.928) v1@15.525,30.754 ; v1(15.649,31.809) U2.H2@16.21,31.814 ; v1@15.72,31.882 ccw(c15.892,32.056) 15.894,31.811 ccw(c15.896,31.566) v1@15.721,31.738 ; U2.H2@16.14,31.883 cw(c15.971,32.049) 15.973,31.812 cw(c15.975,31.574) U2.H2@16.141,31.743 ; U2.R9@16.21,23.796 cw(c16.21,23.558) 16.378,23.726 cw(c16.546,23.894) U2.R9@16.309,23.894 ; U2.R9@16.21,23.894 v1(16.864,23.241) ; U2.R9@16.241,23.805 cw(c16.02,23.422) 16.449,23.532 ; U2.R9@16.299,23.863 ccw(c16.683,24.085) 16.572,23.656 ; 16.348,23.744 cw(c16.249,23.574) 16.446,23.563 ; 16.361,23.757 ccw(c16.531,23.855) 16.541,23.659 ; C105.1@16.407,39.739 16.407,39.759 v2(16.752,40.105) ; C105.1@16.414,39.88 ccw(c16.414,40.154) v2@16.607,39.96 ; v1@16.434,33.731 cw(c16.346,33.348) U2.F1@16.686,33.544 ; 16.445,23.558 ccw(c16.2,23.558) 16.374,23.731 ccw(c16.547,23.904) 16.547,23.659 ; v1@16.457,33.728 cw(c16.457,33.483) 16.631,33.656 cw(c16.804,33.83) v1@16.559,33.83 ; v1(16.457,33.83) U2.F1@16.776,33.511 ; C105.1@16.458,39.874 ccw(c16.287,40.171) v2@16.626,40.123 ; v1@16.469,33.729 cw(c16.488,33.572) 16.624,33.651 ; v1@16.556,33.853 ccw(c16.939,33.942) U2.F1@16.743,33.601 ; v1@16.558,33.818 ccw(c16.715,33.799) 16.636,33.662 ; C105.1@16.562,39.732 cw(c17.005,39.732) v2@16.692,40.045 ; C105.1@16.571,39.835 cw(c16.83,39.685) v2@16.775,39.98 ; 16.606,39.896 ccw(c16.405,40.012) v2@16.629,40.072 ; v2@16.625,40.105 cw(c16.318,40.105) 16.535,39.888 cw(c16.752,39.671) v2@16.752,39.978 ; U2.F1@16.678,33.51 ccw(c16.44,33.51) 16.608,33.678 ccw(c16.776,33.847) U2.F1@16.776,33.609 ; C106.1@17.169,40.501 v1(17.59,40.917) ; C106.1@17.176,40.642 ccw(c17.178,40.966) 17.406,40.736 ; C106.1@17.27,40.658 ccw(c17.035,41.069) v1@17.492,40.944 ; C106.1@17.324,40.493 cw(c17.716,40.491) 17.44,40.77 ; U2.N9@17.342,24.927 cw(c17.342,24.689) 17.51,24.857 ; U2.N9@17.342,25.025 v1(17.683,24.684) ; C106.1@17.353,40.62 cw(c17.725,40.402) v1@17.616,40.819 ; U2.N9@17.372,24.937 cw(c17.143,24.541) v1@17.585,24.658 ; 17.372,40.716 ccw(c17.257,40.917) v1@17.488,40.917 ; 17.425,40.743 cw(c17.556,40.667) v1@17.576,40.817 ; U2.N9@17.43,24.996 ccw(c17.826,25.224) v1@17.709,24.782 ; U2.N9@17.44,25.025 ccw(c17.678,25.025) 17.51,24.857 ; 17.478,24.876 cw(c17.374,24.696) v1@17.582,24.688 ; v1@17.488,40.918 cw(c17.243,40.919) 17.416,40.745 cw(c17.588,40.571) v1@17.589,40.816 ; 17.491,24.889 ccw(c17.672,24.993) v1@17.68,24.785 ; v1@17.582,24.684 ccw(c17.337,24.684) 17.51,24.857 ; v1@17.683,24.785 cw(c17.683,25.031) 17.51,24.857 ; v1@17.988,35.536 cw(c18.039,35.3) 18.21,35.471 ; v1@18.031,35.338 cw(c18.133,34.867) U2.C1@18.473,35.207 18.275,35.406 ; v1@18.06,35.349 cw(c18.173,35.153) 18.231,35.371 ; v1@18.091,35.498 ccw(c18.275,35.637) 18.275,35.406 ; v1@18.098,35.486 ccw(c18.319,35.61) 18.253,35.366 ; 18.357,35.406 cw(c18.357,35.182) U2.C1@18.576,35.23 ; U2.C1@18.375,35.207 ccw(c18.137,35.207) 18.305,35.376 ccw(c18.473,35.544) U2.C1@18.473,35.306 ; U2.C1@18.377,35.186 ccw(c18.104,35.125) v1@18.104,35.406 ; v1@18.401,26.822 ccw(c18.228,26.995) 18.473,26.995 ccw(c18.719,26.995) v1@18.545,26.822 ; U2.K8@18.404,27.218 cw(c18.236,27.05) 18.473,27.05 cw(c18.711,27.05) U2.K8@18.543,27.218 ; v1(18.473,26.75) U2.K8@18.473,27.288 ; U2.D2@18.473,34.076 18.524,34.127 v1(19.09,34.127) ; U2.D2@18.543,34.007 cw(c18.833,33.716) 18.833,34.127 ; v1@19.018,34.055 ccw(c18.844,33.882) 18.844,34.127 ccw(c18.844,34.372) v1@19.018,34.199 ; v1@19.216,29.818 cw(c19.216,29.572) 19.389,29.746 cw(c19.562,29.919) 19.317,29.919 ccw(c19.554,29.919) 19.436,29.713 ; v1(19.216,29.919) 19.584,29.551 U2.G7@19.604,29.551 ; v1@19.314,29.946 ccw(c19.775,30.069) U2.G7@19.536,29.655 ; 19.402,29.733 ccw(c19.604,29.936) U2.G7@19.604,29.649 ; 19.451,29.684 cw(c19.317,29.551) U2.G7@19.506,29.551 ; U2.A1@19.535,36.408 ccw(c19.367,36.576) 19.605,36.576 ccw(c19.842,36.576) U2.A1@19.674,36.408 ; U2.B2@19.604,35.207 v1(20.092,35.212) ; U2.A1@19.605,36.339 19.605,36.684 v1(19.825,36.904) ; U2.B2@19.673,35.278 ccw(c19.84,35.447) 19.842,35.21 ccw(c19.844,34.972) U2.B2@19.675,35.139 ; v1@19.724,36.904 cw(c19.478,36.904) 19.652,36.731 cw(c19.825,36.557) v1@19.825,36.803 ; v1@20.02,35.283 cw(c19.845,35.455) 19.847,35.21 cw(c19.849,34.964) v1@20.021,35.14 ; U2.H9@20.17,27.756 cw(c20.17,27.518) 20.338,27.686 ; U2.H9@20.17,27.854 v1(20.512,27.512) ; U2.H9@20.2,27.766 cw(c19.971,27.37) v1@20.413,27.486 ; U2.H9@20.258,27.824 ccw(c20.655,28.053) v1@20.538,27.611 ; U2.H9@20.269,27.854 ccw(c20.506,27.854) 20.338,27.686 ; 20.307,27.704 cw(c20.203,27.524) v1@20.41,27.516 ; 20.32,27.718 ccw(c20.5,27.822) v1@20.508,27.614 ; v1@20.41,27.512 ccw(c20.165,27.512) 20.338,27.686 ; v1@20.512,27.614 cw(c20.512,27.859) 20.338,27.686 ; U2.E9@21.867,29.452 cw(c21.867,29.215) 22.035,29.383 cw(c22.203,29.551) U2.E9@21.966,29.551 ; U2.E9@21.867,29.551 v1(22.205,29.214) ; U2.E9@21.898,29.462 cw(c21.675,29.077) v1@22.106,29.188 ; U2.E9@21.956,29.52 ccw(c22.341,29.743) v1@22.23,29.312 ; 22.004,29.401 cw(c21.905,29.229) v1@22.103,29.219 ; 22.017,29.414 ccw(c22.189,29.513) v1@22.199,29.315 ; v1@22.103,29.214 ccw(c21.858,29.214) 22.031,29.387 ccw(c22.205,29.56) v1@22.205,29.315 ; U2.D9@22.433,30.018 cw(c22.433,29.781) 22.601,29.948 ; U2.D9@22.433,30.117 v1(22.774,29.775) ; U2.D9@22.463,30.028 cw(c22.234,29.632) v1@22.676,29.749 ; U2.D9@22.521,30.087 ccw(c22.917,30.315) v1@22.8,29.873 ; U2.D9@22.531,30.117 ccw(c22.769,30.116) 22.601,29.948 ; 22.569,29.967 cw(c22.465,29.787) v1@22.673,29.779 ; 22.583,29.98 ccw(c22.763,30.084) v1@22.77,29.876 ; v1@22.673,29.775 ccw(c22.427,29.775) 22.601,29.948 ; v1@22.774,29.877 cw(c22.774,30.122) 22.601,29.948 ; U2.C9@22.999,30.584 cw(c22.999,30.346) 23.167,30.514 cw(c23.335,30.682) U2.C9@23.097,30.682 ; U2.C9@22.999,30.682 v1(23.34,30.341) ; U2.C9@23.028,30.594 cw(c22.799,30.198) v1@23.242,30.315 ; U2.C9@23.087,30.652 ccw(c23.483,30.881) v1@23.366,30.439 ; 23.135,30.533 cw(c23.031,30.352) v1@23.239,30.344 ; 23.148,30.546 ccw(c23.328,30.65) v1@23.336,30.442 ; v1@23.239,30.341 ccw(c22.993,30.341) 23.167,30.514 ccw(c23.34,30.687) v1@23.34,30.442 ; U2.A8@23.565,32.379 v1(24.052,32.379) ; U2.A8@23.634,32.31 cw(c23.802,32.142) 23.802,32.379 cw(c23.802,32.617) U2.A8@23.634,32.449 ; v1@23.98,32.307 ccw(c23.807,32.134) 23.807,32.379 ccw(c23.807,32.624) v1@23.98,32.451 ; 28.135,24.657 ccw(c28.814,24.657) v5(28.334,24.176) 28.135,24.375 U1.43@28.135,25.683 ; U1.43@28.135,25.147 ccw(c29.305,25.147) v5@28.478,24.32 ; R89.2@40.018,36.227 40.573,36.227 v5@40.738,36.227 ; R89.2@40.077,36.227 cw(c40.077,35.729) v5@40.429,36.081 ; R89.2@40.088,36.227 ccw(c40.088,36.71) v5@40.429,36.369 ; R89.2@40.112,36.122 cw(c40.366,35.869) 40.366,36.227 cw(c40.366,36.586) R89.2@40.112,36.332 ; v1@18.104,35.406 18.275,35.406 ; v1@18.104,35.406 v1(18.009,35.437) 18.073,35.437 v1@18.104,35.406
  TOP w0.254: C104.1@15.645,38.977 15.974,39.306 v2@15.974,39.327 ; C104.1@15.652,39.093 ccw(c15.652,39.355) 15.837,39.169 ; C104.1@15.683,39.08 ccw(c15.465,39.457) v2@15.89,39.364 ; C104.1@15.775,38.97 cw(c16.106,38.97) v2@15.872,39.204 ; C104.1@15.799,39.078 cw(c16.109,38.899) v2@16.016,39.244 ; C104.1@15.801,39.148 ccw(c15.71,39.304) v2@15.889,39.329 ; C104.1@15.802,39.134 ccw(c15.593,39.343) v2@15.888,39.343
  TOP w0.508: C82.1@40.054,34.071 v5(40.794,34.071)
  BOTTOM w0.203: C89.1@14.786,30.975 15.079,30.682 v1(15.597,30.682) ; v1@15.525,30.61 ccw(c15.351,30.437) 15.351,30.682 ccw(c15.351,30.928) v1@15.525,30.754 ; C98.1@16.109,24.231 ccw(c16.566,24.188) 16.242,23.863 ; C98.1@16.242,24.303 16.242,24.261 16.242,23.971 16.187,23.917 v1(16.864,23.241) ; C98.1@16.311,24.212 ccw(c17.124,24.135) 16.547,23.558 ; 16.445,23.558 ccw(c16.2,23.558) 16.374,23.731 ccw(c16.547,23.904) 16.547,23.659 ; 16.449,23.584 ccw(c16.212,23.647) 16.424,23.77 ccw(c16.637,23.893) 16.573,23.656 ; v1@16.454,33.931 cw(c16.468,33.473) 16.792,33.797 ; v1(16.457,33.83) 16.76,33.83 17.124,33.465 ccw(c16.488,32.828) v1@16.46,33.728 ; v1@16.529,33.758 cw(c16.702,33.584) 16.702,33.83 cw(c16.702,34.075) v1@16.529,33.901 ; 16.854,33.735 cw(c16.576,33.458) C99.1@16.969,33.458 ; 16.888,33.701 ccw(c17.117,33.93) C99.1@17.117,33.606 ; C97.1@17.172,25.048 17.214,25.048 C97.1@17.254,25.048 ; C97.1@17.249,24.977 cw(c17.249,24.638) 17.489,24.878 ; C97.1@17.254,25.048 17.319,25.048 v1(17.683,24.684) ; C97.1@17.358,24.954 cw(c17.114,24.531) v1@17.585,24.657 ; C97.1@17.398,25.126 ccw(c17.775,25.126) 17.508,24.859 ; C97.1@17.428,24.998 ccw(c17.83,25.23) v1@17.71,24.782 ; v1@17.582,24.684 ccw(c17.337,24.684) 17.51,24.857 ccw(c17.683,25.031) v1@17.683,24.785 ; v1@18.029,35.337 cw(c18.117,34.891) 18.439,35.213 18.214,35.437 ; v1@18.09,35.375 cw(c18.214,35.281) 18.214,35.437 ; v1@18.09,35.498 ccw(c18.214,35.593) 18.214,35.437 ; 18.252,35.437 cw(c18.252,35.185) C100.1@18.5,35.229 ; C100.1@18.3,35.194 ccw(c18.009,35.142) v1(18.009,35.437) 18.214,35.437 ; C101.1@19.029,34.046 cw(c18.917,33.896) 19.104,33.896 19.104,34.113 v1(19.09,34.127) ; C101.1@19.104,33.916 cw(c19.301,33.916) C101.1@19.161,34.055 ; v1@20.44,27.584 ccw(c20.266,27.758) 20.512,27.758 ccw(c20.757,27.758) v1@20.584,27.584 ; v1(20.512,27.512) 20.512,28.604 C88.1@20.851,28.943 ; C85.1@21.614,29.676 21.656,29.676 21.666,29.676 21.682,29.691 21.705,29.714 v1(22.205,29.214) ; C85.1@21.691,29.605 cw(c21.691,29.311) 21.9,29.519 ; C85.1@21.84,29.753 ccw(c22.262,29.753) 21.963,29.455 ; v1@22.103,29.214 ccw(c21.858,29.214) 22.031,29.387 ccw(c22.205,29.56) v1@22.205,29.315
  BOTTOM w0.508: v1(11.412,28.698) 11.876,28.234 11.876,28.16 C87.1@11.876,28.118
  BOTTOM w1.016: 12.916,37.967 cw(c13.816,37.967) L13.1@13.18,38.604 ; L13.1@13.221,38.563 12.916,38.259 12.916,37.535 13.164,37.286 13.815,36.635 v4(13.83,36.635) ; v5(28.334,24.176) 28.334,25.236 C142.2@28.354,25.256
  other v4: 6.489,16.459 13.153,37.275
  other v5: 27.481,16.721 36.126,24.176 40.573,36.225
DSCK: C109.2 R65.1 U2.J7 | length 11.8
  TOP w0.127: U2.J7@18.473,28.419 18.601,28.548 18.936,28.548 19.978,27.506 19.978,26.783 20.168,26.592 24.626,26.592 25.275,25.942 25.275,25.335 24.925,24.985 24.617,24.985 24.49,24.858 24.49,24.679 24.363,24.552 23.955,24.552 23.925,24.582 23.903,24.604 R65.1@22.915,24.603
DSCK-N: C109.1 R68.1 U2.K7 | length 10.8
  TOP w0.127: U2.K7@17.908,27.854 17.962,27.8 18.537,27.8 19.999,26.338 24.52,26.338 25.021,25.837 25.021,25.441 24.82,25.239 24.617,25.239 24.49,25.366 24.49,25.545 24.363,25.672 23.955,25.672 23.931,25.696 R68.1@22.915,25.696
EXTEN: U3.20 U5.1 | length 47.8
  TOP w0.152: U5.1@27.648,40.928 33.625,40.928 34.074,41.377 34.074,42.926 v1(34.429,43.282) ; U5.1@27.885,40.84 cw(c28.097,40.629) 28.097,40.928 cw(c28.097,41.227) U5.1@27.885,41.016 ; v1@34.302,43.282 cw(c33.996,43.282) 34.212,43.065 cw(c34.429,42.848) v1@34.429,43.155 ; U3.20@65.743,41.869 65.743,42.578 v1(66.04,42.875) ; v1@65.913,42.875 cw(c65.606,42.875) 65.823,42.658 cw(c66.04,42.441) v1@66.04,42.748
  Singal w0.152: v1@34.455,43.256 35.623,43.256 38.671,46.304 54.952,46.304 55.327,45.929 65.322,45.929 66.04,45.212 v1(66.04,42.875) ; v1@34.519,43.192 cw(c34.674,43.036) 34.674,43.256 ; v1@34.519,43.371 ccw(c34.797,43.65) 34.797,43.256 ; v1@65.95,42.965 ccw(c65.733,43.182) 66.04,43.182 ccw(c66.347,43.182) v1@66.13,42.965
G_INT1: R130.2 U1.104 U10.12 | length 99.1
  TOP w0.127: v1@33.64,5.7 cw(c33.41,5.47) 33.735,5.47 ; U1.104@33.735,4.133 v1@33.735,5.795 ; 33.735,5.453 cw(c34.085,5.453) v1@33.838,5.7 ; v1@35.051,43.866 cw(c34.714,43.866) 34.953,43.627 cw(c35.191,43.389) v1@35.191,43.726 ; v1(35.191,43.866) 34.81,43.485 34.81,40.792 v1(35.572,40.03) ; v1@35.432,40.03 ccw(c35.095,40.03) 35.334,40.269 ccw(c35.572,40.507) v1@35.572,40.17
  Singal w0.127: v1@33.64,5.898 ccw(c33.402,6.136) 33.739,6.136 ccw(c34.076,6.136) v1@33.838,5.898 ; v1(33.739,5.799) 33.739,6.653 31.554,8.838 31.554,25.7 35.572,29.718 v1(35.572,40.03) ; v1(35.191,43.866) 35.496,43.866 ; v1@35.297,43.775 cw(c35.496,43.603) 35.496,43.866 ; v1@35.297,43.957 ccw(c35.496,44.128) 35.496,43.866 ; v1@35.473,39.932 cw(c35.235,39.693) 35.572,39.693 cw(c35.909,39.693) v1@35.671,39.932 ; v3@79.273,45.644 ccw(c78.752,45.644) 79.12,46.012 ccw(c79.489,46.381) v3@79.489,45.86 ; v3(79.489,45.644) 78.828,46.304 55.689,46.304 55.283,46.711 38.341,46.711 35.496,43.866
  BOTTOM w0.127: v3@79.336,45.491 cw(c78.986,45.141) 79.481,45.141 ; R130.2@79.349,44.984 ccw(c79.031,45.302) 79.481,45.302 ccw(c79.931,45.302) R130.2@79.613,44.984 ; 79.481,45.104 cw(c80.028,45.104) v3@79.641,45.491 ; v3@79.481,45.636 R130.2@79.481,44.852 79.714,44.619 U10.12@81.076,44.619 ; R130.2@79.483,44.804 ccw(c79.93,45.251) 79.93,44.619 ; R130.2@79.573,44.894 ccw(c80.237,45.557) 80.237,44.619 ; R130.2@79.663,44.984 ccw(c80.543,45.864) 80.543,44.619 ; U10.12@81.02,44.576 ccw(c80.915,44.471) 80.915,44.619 ccw(c80.915,44.768) U10.12@81.02,44.663
G_INT2: R129.2 U1.12 U10.11 | length 63.3
  TOP w0.127: U1.12@40.535,25.683 40.535,23.746 41.019,23.262 v1(43.991,23.262) ; v1@43.892,23.163 ccw(c43.654,22.925) 43.654,23.262 ccw(c43.654,23.599) v1@43.892,23.361
  BOTTOM w0.127: v1(43.991,23.262) 44.359,23.63 44.359,24.482 53.685,33.807 58.005,33.807 62.094,29.718 71.149,29.718 76.848,35.416 76.848,42.622 77.457,43.231 79.133,43.231 79.438,43.536 ; v1@43.991,23.402 ccw(c43.991,23.739) 44.229,23.5 ccw(c44.468,23.262) v1@44.131,23.262 ; R129.2@79.314,43.797 cw(c79.101,43.536) 79.438,43.536 ; R129.2@79.483,43.99 cw(c79.797,43.677) 79.797,44.119 ; R129.2@79.557,43.804 ccw(c79.801,43.536) 79.438,43.536 ; R129.2@79.573,43.9 cw(c80.103,43.37) 80.103,44.119 ; R129.2@79.663,43.81 cw(c80.41,43.063) 80.41,44.119 ; U10.11@81.02,44.076 ccw(c80.915,43.971) 80.915,44.119 ccw(c80.915,44.268) U10.11@81.02,44.163 ; U10.11@81.076,44.119 79.658,44.119 R129.2@79.481,43.942 79.438,43.899 79.438,43.536